# Altium PCB VALVEBOARD_Kun.PcbDoc (part 11 of 13)
Units mil, origin at the board's own origin, x right, y up, seen from the top; angles counter-clockwise.
Board outline 10923.41 x 5583.88 mil, 2 copper layers (Top Layer, Bottom Layer), stack 10.8 mil thick; 1127 components, 626 nets, 3503 pads, 1418 vias.
Unrouted connection lines stored in the file: 1.
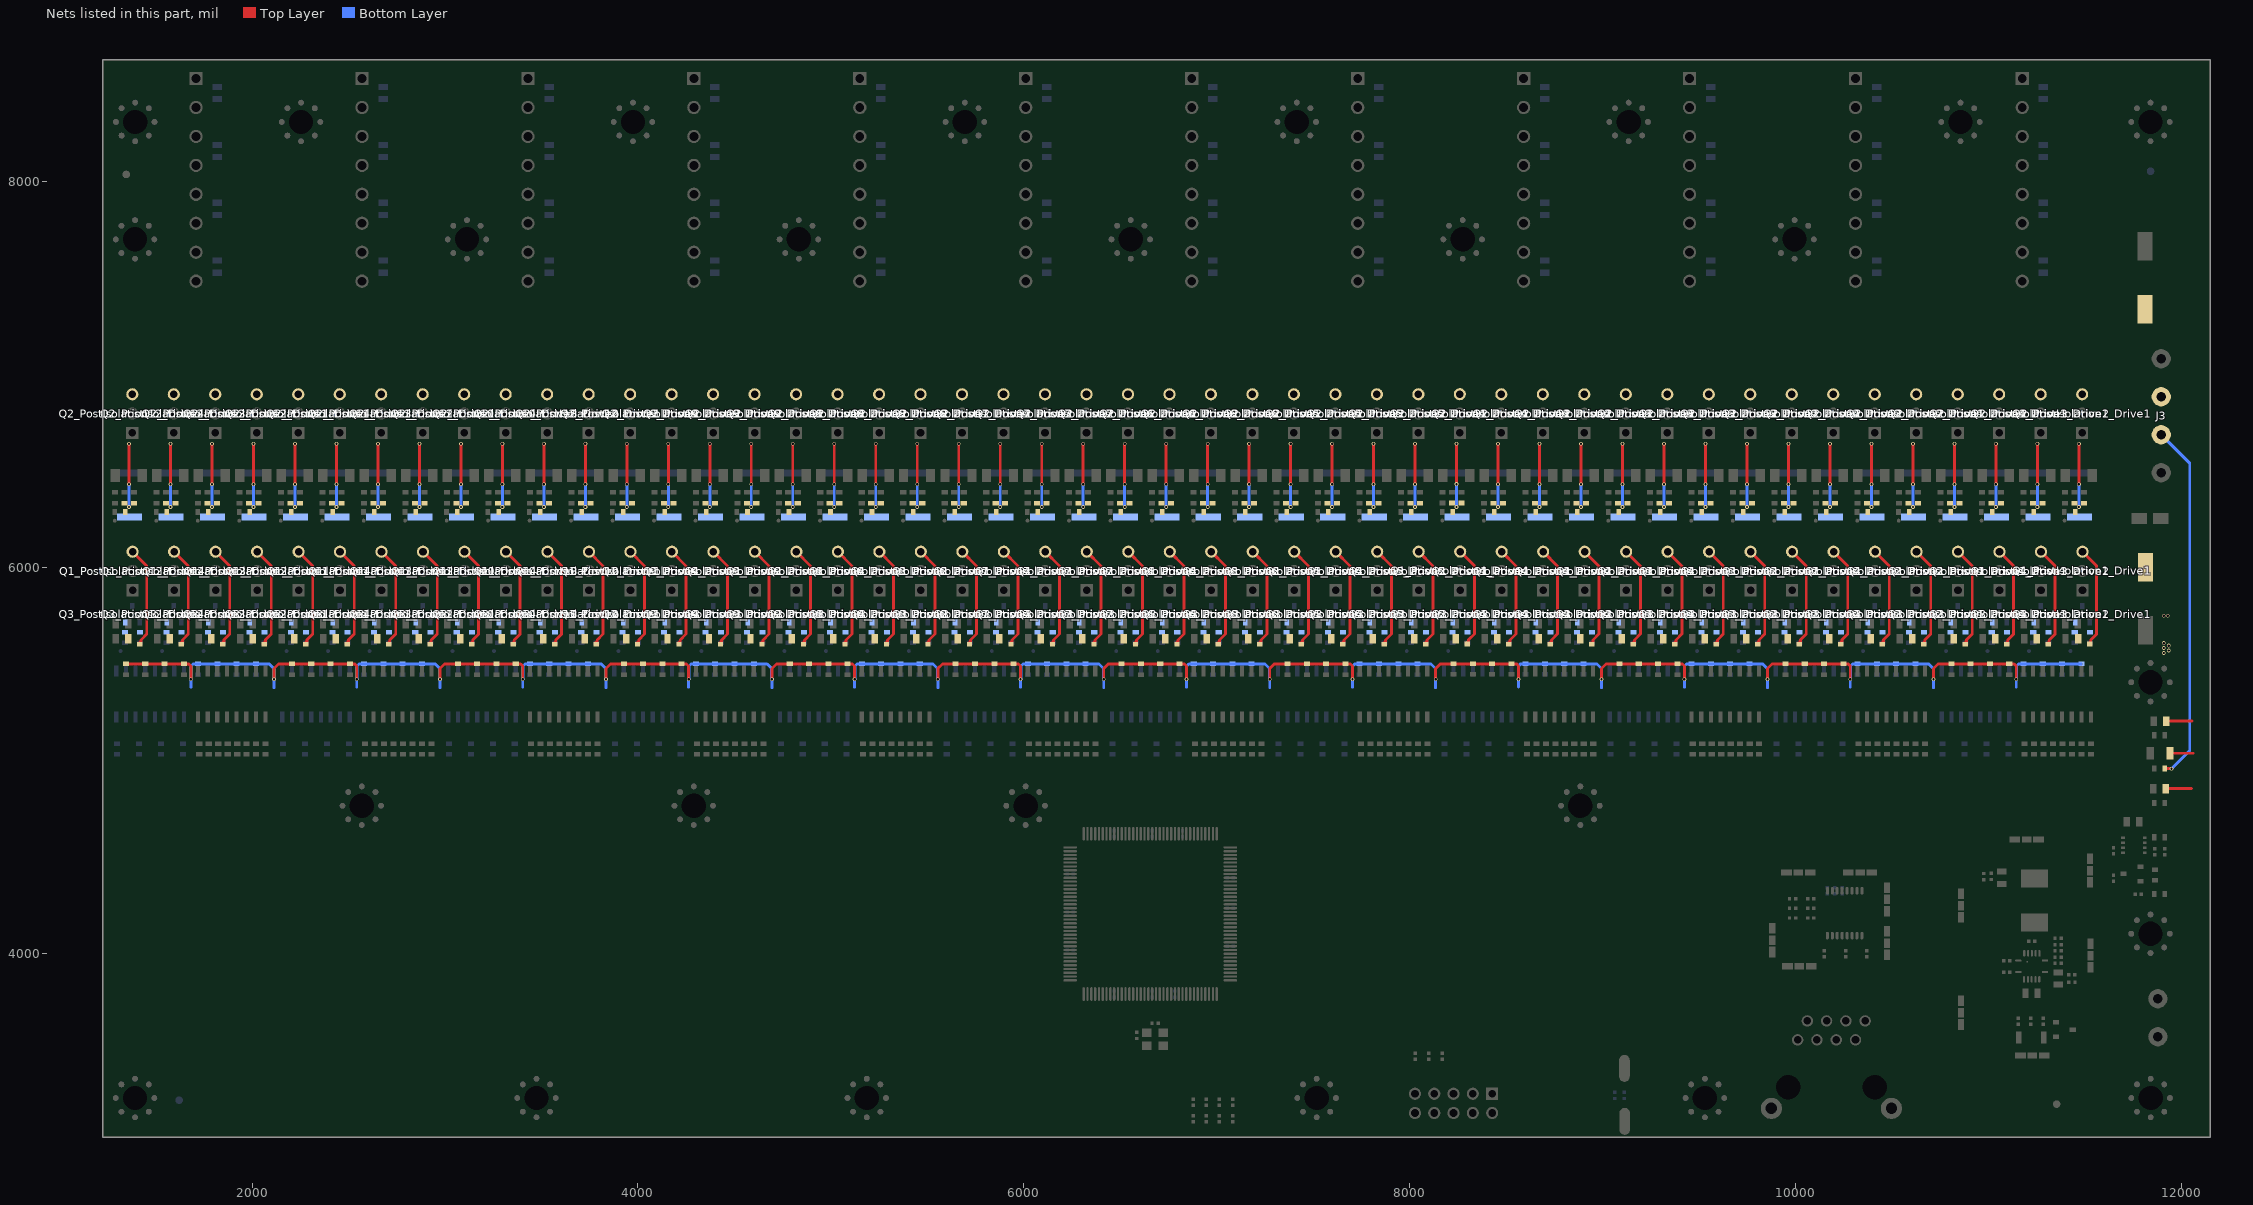
[diagram p11: the nets of this part, all layers, seen from the top]

## Via types
v1: diameter 19.68, hole 11.81, Top Layer to Bottom Layer, tented both sides, 1364 vias
v2: diameter 19.68, hole 11.81, Top Layer to Bottom Layer, 54 vias

## Nets (pads, with @x,y where several pads share a name; then routed paths per layer and width w, separated by ;. In a path a pad name is that pad's centre, name@x,y a point inside that pad or via, vN(x,y) a via of type N, cw(c..) or ccw(c..) an arc to the next point about the centre after c; other vN are vias at no path point) (continued)
PGND: C15_PostIsolation1_Isolation1.1 C15_PostIsolation2_Isolation2.1 C15_PostIsolation3_Isolation3.1 C15_PostIsolation4_Isolation4.1 C15_PostIsolation5_Isolation5.1 C15_PostIsolation6_Isolation6.1 C15_PostIsolation7_Isolation7.1 C15_PostIsolation8_Isolation8.1 C15_PostIsolation9_Isolation9.1 C15_PostIsolation10_Isolation10.1 C15_PostIsolation11_Isolation11.1 C15_PostIsolation12_Isolation12.1 C16_PostIsolation1_Isolation1.1 C16_PostIsolation2_Isolation2.1 C16_PostIsolation3_Isolation3.1 C16_PostIsolation4_Isolation4.1 C16_PostIsolation5_Isolation5.1 C16_PostIsolation6_Isolation6.1 C16_PostIsolation7_Isolation7.1 C16_PostIsolation8_Isolation8.1 C16_PostIsolation9_Isolation9.1 C16_PostIsolation10_Isolation10.1 C16_PostIsolation11_Isolation11.1 C16_PostIsolation12_Isolation12.1 C17_PostIsolation1_Isolation1.1 C17_PostIsolation2_Isolation2.1 C17_PostIsolation3_Isolation3.1 C17_PostIsolation4_Isolation4.1 C17_PostIsolation5_Isolation5.1 C17_PostIsolation6_Isolation6.1 C17_PostIsolation7_Isolation7.1 C17_PostIsolation8_Isolation8.1 C17_PostIsolation9_Isolation9.1 C17_PostIsolation10_Isolation10.1 C17_PostIsolation11_Isolation11.1 C17_PostIsolation12_Isolation12.1 C18_PostIsolation1_Isolation1.1 C18_PostIsolation2_Isolation2.1 C18_PostIsolation3_Isolation3.1 C18_PostIsolation4_Isolation4.1 C18_PostIsolation5_Isolation5.1 C18_PostIsolation6_Isolation6.1 C18_PostIsolation7_Isolation7.1 C18_PostIsolation8_Isolation8.1 C18_PostIsolation9_Isolation9.1 C18_PostIsolation10_Isolation10.1 C18_PostIsolation11_Isolation11.1 C18_PostIsolation12_Isolation12.1 C19_PostIsolation1_Isolation1.1 C19_PostIsolation2_Isolation2.1 C19_PostIsolation3_Isolation3.1 C19_PostIsolation4_Isolation4.1 C19_PostIsolation5_Isolation5.1 C19_PostIsolation6_Isolation6.1 C19_PostIsolation7_Isolation7.1 C19_PostIsolation8_Isolation8.1 C19_PostIsolation9_Isolation9.1 C19_PostIsolation10_Isolation10.1 C19_PostIsolation11_Isolation11.1 C19_PostIsolation12_Isolation12.1 C20_PostIsolation1_Isolation1.1 C20_PostIsolation2_Isolation2.1 C20_PostIsolation3_Isolation3.1 C20_PostIsolation4_Isolation4.1 C20_PostIsolation5_Isolation5.1 C20_PostIsolation6_Isolation6.1 C20_PostIsolation7_Isolation7.1 C20_PostIsolation8_Isolation8.1 C20_PostIsolation9_Isolation9.1 C20_PostIsolation10_Isolation10.1 C20_PostIsolation11_Isolation11.1 C20_PostIsolation12_Isolation12.1 C21_PostIsolation1_Isolation1.1 C21_PostIsolation2_Isolation2.1 C21_PostIsolation3_Isolation3.1 C21_PostIsolation4_Isolation4.1 C21_PostIsolation5_Isolation5.1 C21_PostIsolation6_Isolation6.1 C21_PostIsolation7_Isolation7.1 C21_PostIsolation8_Isolation8.1 C21_PostIsolation9_Isolation9.1 C21_PostIsolation10_Isolation10.1 C21_PostIsolation11_Isolation11.1 C21_PostIsolation12_Isolation12.1 C22_PostIsolation1_Isolation1.1 C22_PostIsolation2_Isolation2.1 C22_PostIsolation3_Isolation3.1 C22_PostIsolation4_Isolation4.1 C22_PostIsolation5_Isolation5.1 C22_PostIsolation6_Isolation6.1 C22_PostIsolation7_Isolation7.1 C22_PostIsolation8_Isolation8.1 C22_PostIsolation9_Isolation9.1 C22_PostIsolation10_Isolation10.1 C22_PostIsolation11_Isolation11.1 C22_PostIsolation12_Isolation12.1 C27_PostIsolation1_Drive1.1 C27_PostIsolation1_Drive2.1 C27_PostIsolation1_Drive3.1 C27_PostIsolation1_Drive4.1 C27_PostIsolation2_Drive1.1 C27_PostIsolation2_Drive2.1 C27_PostIsolation2_Drive3.1 C27_PostIsolation2_Drive4.1 C27_PostIsolation3_Drive1.1 C27_PostIsolation3_Drive2.1 C27_PostIsolation3_Drive3.1 C27_PostIsolation3_Drive4.1 C27_PostIsolation4_Drive1.1 C27_PostIsolation4_Drive2.1 C27_PostIsolation4_Drive3.1 C27_PostIsolation4_Drive4.1 C27_PostIsolation5_Drive1.1 C27_PostIsolation5_Drive2.1 C27_PostIsolation5_Drive3.1 C27_PostIsolation5_Drive4.1 C27_PostIsolation6_Drive1.1 C27_PostIsolation6_Drive2.1 C27_PostIsolation6_Drive3.1 C27_PostIsolation6_Drive4.1 C27_PostIsolation7_Drive1.1 C27_PostIsolation7_Drive2.1 C27_PostIsolation7_Drive3.1 C27_PostIsolation7_Drive4.1 C27_PostIsolation8_Drive1.1 C27_PostIsolation8_Drive2.1 C27_PostIsolation8_Drive3.1 C27_PostIsolation8_Drive4.1 C27_PostIsolation9_Drive1.1 C27_PostIsolation9_Drive2.1 C27_PostIsolation9_Drive3.1 C27_PostIsolation9_Drive4.1 C27_PostIsolation10_Drive1.1 C27_PostIsolation10_Drive2.1 C27_PostIsolation10_Drive3.1 C27_PostIsolation10_Drive4.1 C27_PostIsolation11_Drive1.1 C27_PostIsolation11_Drive2.1 C27_PostIsolation11_Drive3.1 C27_PostIsolation11_Drive4.1 C27_PostIsolation12_Drive1.1 C27_PostIsolation12_Drive2.1 C27_PostIsolation12_Drive3.1 C27_PostIsolation12_Drive4.1 C28_PostIsolation1_Drive1.1 C28_PostIsolation1_Drive2.1 C28_PostIsolation1_Drive3.1 C28_PostIsolation1_Drive4.1 C28_PostIsolation2_Drive1.1 C28_PostIsolation2_Drive2.1 C28_PostIsolation2_Drive3.1 C28_PostIsolation2_Drive4.1 C28_PostIsolation3_Drive1.1 C28_PostIsolation3_Drive2.1 C28_PostIsolation3_Drive3.1 C28_PostIsolation3_Drive4.1 C28_PostIsolation4_Drive1.1 C28_PostIsolation4_Drive2.1 C28_PostIsolation4_Drive3.1 C28_PostIsolation4_Drive4.1 C28_PostIsolation5_Drive1.1 C28_PostIsolation5_Drive2.1 C28_PostIsolation5_Drive3.1 C28_PostIsolation5_Drive4.1 C28_PostIsolation6_Drive1.1 C28_PostIsolation6_Drive2.1 C28_PostIsolation6_Drive3.1 C28_PostIsolation6_Drive4.1 C28_PostIsolation7_Drive1.1 C28_PostIsolation7_Drive2.1 C28_PostIsolation7_Drive3.1 C28_PostIsolation7_Drive4.1 C28_PostIsolation8_Drive1.1 C28_PostIsolation8_Drive2.1 C28_PostIsolation8_Drive3.1 C28_PostIsolation8_Drive4.1 C28_PostIsolation9_Drive1.1 C28_PostIsolation9_Drive2.1 C28_PostIsolation9_Drive3.1 C28_PostIsolation9_Drive4.1 C28_PostIsolation10_Drive1.1 C28_PostIsolation10_Drive2.1 C28_PostIsolation10_Drive3.1 C28_PostIsolation10_Drive4.1 C28_PostIsolation11_Drive1.1 C28_PostIsolation11_Drive2.1 C28_PostIsolation11_Drive3.1 C28_PostIsolation11_Drive4.1 C28_PostIsolation12_Drive1.1 C28_PostIsolation12_Drive2.1 C28_PostIsolation12_Drive3.1 C28_PostIsolation12_Drive4.1 C29.2 C30.2 J3.3 Q2_PostIsolation1_Drive1.3 Q2_PostIsolation1_Drive2.3 Q2_PostIsolation1_Drive3.3 Q2_PostIsolation1_Drive4.3 Q2_PostIsolation2_Drive1.3 Q2_PostIsolation2_Drive2.3 Q2_PostIsolation2_Drive3.3 Q2_PostIsolation2_Drive4.3 Q2_PostIsolation3_Drive1.3 Q2_PostIsolation3_Drive2.3 Q2_PostIsolation3_Drive3.3 Q2_PostIsolation3_Drive4.3 Q2_PostIsolation4_Drive1.3 Q2_PostIsolation4_Drive2.3 Q2_PostIsolation4_Drive3.3 Q2_PostIsolation4_Drive4.3 Q2_PostIsolation5_Drive1.3 Q2_PostIsolation5_Drive2.3 Q2_PostIsolation5_Drive3.3 Q2_PostIsolation5_Drive4.3 Q2_PostIsolation6_Drive1.3 Q2_PostIsolation6_Drive2.3 Q2_PostIsolation6_Drive3.3 Q2_PostIsolation6_Drive4.3 Q2_PostIsolation7_Drive1.3 Q2_PostIsolation7_Drive2.3 Q2_PostIsolation7_Drive3.3 Q2_PostIsolation7_Drive4.3 Q2_PostIsolation8_Drive1.3 Q2_PostIsolation8_Drive2.3 Q2_PostIsolation8_Drive3.3 Q2_PostIsolation8_Drive4.3 Q2_PostIsolation9_Drive1.3 Q2_PostIsolation9_Drive2.3 Q2_PostIsolation9_Drive3.3 Q2_PostIsolation9_Drive4.3 Q2_PostIsolation10_Drive1.3 Q2_PostIsolation10_Drive2.3 Q2_PostIsolation10_Drive3.3 Q2_PostIsolation10_Drive4.3 Q2_PostIsolation11_Drive1.3 Q2_PostIsolation11_Drive2.3 Q2_PostIsolation11_Drive3.3 Q2_PostIsolation11_Drive4.3 Q2_PostIsolation12_Drive1.3 Q2_PostIsolation12_Drive2.3 Q2_PostIsolation12_Drive3.3 Q2_PostIsolation12_Drive4.3 Q3_PostIsolation1_Drive1.S Q3_PostIsolation1_Drive2.S Q3_PostIsolation1_Drive3.S Q3_PostIsolation1_Drive4.S Q3_PostIsolation2_Drive1.S Q3_PostIsolation2_Drive2.S Q3_PostIsolation2_Drive3.S Q3_PostIsolation2_Drive4.S Q3_PostIsolation3_Drive1.S Q3_PostIsolation3_Drive2.S Q3_PostIsolation3_Drive3.S Q3_PostIsolation3_Drive4.S Q3_PostIsolation4_Drive1.S Q3_PostIsolation4_Drive2.S Q3_PostIsolation4_Drive3.S Q3_PostIsolation4_Drive4.S Q3_PostIsolation5_Drive1.S Q3_PostIsolation5_Drive2.S Q3_PostIsolation5_Drive3.S Q3_PostIsolation5_Drive4.S Q3_PostIsolation6_Drive1.S Q3_PostIsolation6_Drive2.S Q3_PostIsolation6_Drive3.S Q3_PostIsolation6_Drive4.S Q3_PostIsolation7_Drive1.S Q3_PostIsolation7_Drive2.S Q3_PostIsolation7_Drive3.S Q3_PostIsolation7_Drive4.S Q3_PostIsolation8_Drive1.S Q3_PostIsolation8_Drive2.S Q3_PostIsolation8_Drive3.S Q3_PostIsolation8_Drive4.S Q3_PostIsolation9_Drive1.S Q3_PostIsolation9_Drive2.S Q3_PostIsolation9_Drive3.S Q3_PostIsolation9_Drive4.S Q3_PostIsolation10_Drive1.S Q3_PostIsolation10_Drive2.S Q3_PostIsolation10_Drive3.S Q3_PostIsolation10_Drive4.S Q3_PostIsolation11_Drive1.S Q3_PostIsolation11_Drive2.S Q3_PostIsolation11_Drive3.S Q3_PostIsolation11_Drive4.S Q3_PostIsolation12_Drive1.S Q3_PostIsolation12_Drive2.S Q3_PostIsolation12_Drive3.S Q3_PostIsolation12_Drive4.S R25_PostIsolation1_Drive1.2 R25_PostIsolation1_Drive2.2 R25_PostIsolation1_Drive3.2 R25_PostIsolation1_Drive4.2 R25_PostIsolation2_Drive1.2 R25_PostIsolation2_Drive2.2 R25_PostIsolation2_Drive3.2 R25_PostIsolation2_Drive4.2 R25_PostIsolation3_Drive1.2 R25_PostIsolation3_Drive2.2 R25_PostIsolation3_Drive3.2 R25_PostIsolation3_Drive4.2 R25_PostIsolation4_Drive1.2 R25_PostIsolation4_Drive2.2 R25_PostIsolation4_Drive3.2 R25_PostIsolation4_Drive4.2 R25_PostIsolation5_Drive1.2 R25_PostIsolation5_Drive2.2 R25_PostIsolation5_Drive3.2 R25_PostIsolation5_Drive4.2 R25_PostIsolation6_Drive1.2 R25_PostIsolation6_Drive2.2 R25_PostIsolation6_Drive3.2 R25_PostIsolation6_Drive4.2 R25_PostIsolation7_Drive1.2 R25_PostIsolation7_Drive2.2 R25_PostIsolation7_Drive3.2 R25_PostIsolation7_Drive4.2 R25_PostIsolation8_Drive1.2 R25_PostIsolation8_Drive2.2 R25_PostIsolation8_Drive3.2 R25_PostIsolation8_Drive4.2 R25_PostIsolation9_Drive1.2 R25_PostIsolation9_Drive2.2 R25_PostIsolation9_Drive3.2 R25_PostIsolation9_Drive4.2 R25_PostIsolation10_Drive1.2 R25_PostIsolation10_Drive2.2 R25_PostIsolation10_Drive3.2 R25_PostIsolation10_Drive4.2 R25_PostIsolation11_Drive1.2 R25_PostIsolation11_Drive2.2 R25_PostIsolation11_Drive3.2 R25_PostIsolation11_Drive4.2 R25_PostIsolation12_Drive1.2 R25_PostIsolation12_Drive2.2 R25_PostIsolation12_Drive3.2 R25_PostIsolation12_Drive4.2 R27_PostIsolation1_Drive1.1 R27_PostIsolation1_Drive2.1 R27_PostIsolation1_Drive3.1 R27_PostIsolation1_Drive4.1 R27_PostIsolation2_Drive1.1 R27_PostIsolation2_Drive2.1 R27_PostIsolation2_Drive3.1 R27_PostIsolation2_Drive4.1 R27_PostIsolation3_Drive1.1 R27_PostIsolation3_Drive2.1 R27_PostIsolation3_Drive3.1 R27_PostIsolation3_Drive4.1 R27_PostIsolation4_Drive1.1 R27_PostIsolation4_Drive2.1 R27_PostIsolation4_Drive3.1 R27_PostIsolation4_Drive4.1 R27_PostIsolation5_Drive1.1 R27_PostIsolation5_Drive2.1 R27_PostIsolation5_Drive3.1 R27_PostIsolation5_Drive4.1 R27_PostIsolation6_Drive1.1 R27_PostIsolation6_Drive2.1 R27_PostIsolation6_Drive3.1 R27_PostIsolation6_Drive4.1 R27_PostIsolation7_Drive1.1 R27_PostIsolation7_Drive2.1 R27_PostIsolation7_Drive3.1 R27_PostIsolation7_Drive4.1 R27_PostIsolation8_Drive1.1 R27_PostIsolation8_Drive2.1 R27_PostIsolation8_Drive3.1 R27_PostIsolation8_Drive4.1 R27_PostIsolation9_Drive1.1 R27_PostIsolation9_Drive2.1 R27_PostIsolation9_Drive3.1 R27_PostIsolation9_Drive4.1 R27_PostIsolation10_Drive1.1 R27_PostIsolation10_Drive2.1 R27_PostIsolation10_Drive3.1 R27_PostIsolation10_Drive4.1 R27_PostIsolation11_Drive1.1 R27_PostIsolation11_Drive2.1 R27_PostIsolation11_Drive3.1 R27_PostIsolation11_Drive4.1 R27_PostIsolation12_Drive1.1 R27_PostIsolation12_Drive2.1 R27_PostIsolation12_Drive3.1 R27_PostIsolation12_Drive4.1 R28_PostIsolation1_Drive1.1 R28_PostIsolation1_Drive2.1 R28_PostIsolation1_Drive3.1 R28_PostIsolation1_Drive4.1 R28_PostIsolation2_Drive1.1 R28_PostIsolation2_Drive2.1 R28_PostIsolation2_Drive3.1 R28_PostIsolation2_Drive4.1 R28_PostIsolation3_Drive1.1 R28_PostIsolation3_Drive2.1 R28_PostIsolation3_Drive3.1 R28_PostIsolation3_Drive4.1 R28_PostIsolation4_Drive1.1 R28_PostIsolation4_Drive2.1 R28_PostIsolation4_Drive3.1 R28_PostIsolation4_Drive4.1 R28_PostIsolation5_Drive1.1 R28_PostIsolation5_Drive2.1 R28_PostIsolation5_Drive3.1 R28_PostIsolation5_Drive4.1 R28_PostIsolation6_Drive1.1 R28_PostIsolation6_Drive2.1 R28_PostIsolation6_Drive3.1 R28_PostIsolation6_Drive4.1 R28_PostIsolation7_Drive1.1 R28_PostIsolation7_Drive2.1 R28_PostIsolation7_Drive3.1 R28_PostIsolation7_Drive4.1 R28_PostIsolation8_Drive1.1 R28_PostIsolation8_Drive2.1 R28_PostIsolation8_Drive3.1 R28_PostIsolation8_Drive4.1 R28_PostIsolation9_Drive1.1 R28_PostIsolation9_Drive2.1 R28_PostIsolation9_Drive3.1 R28_PostIsolation9_Drive4.1 R28_PostIsolation10_Drive1.1 R28_PostIsolation10_Drive2.1 R28_PostIsolation10_Drive3.1 R28_PostIsolation10_Drive4.1 R28_PostIsolation11_Drive1.1 R28_PostIsolation11_Drive2.1 R28_PostIsolation11_Drive3.1 R28_PostIsolation11_Drive4.1 R28_PostIsolation12_Drive1.1 R28_PostIsolation12_Drive2.1 R28_PostIsolation12_Drive3.1 R28_PostIsolation12_Drive4.1 R29.1 R30.2 R31.2 | length 31116.6
  Top Layer w15: C17_PostIsolation12_Isolation12.1@1346.51,5500.55 C18_PostIsolation12_Isolation12.1@1446.51,5500.55 C15_PostIsolation12_Isolation12.1@1546.51,5500.55 C16_PostIsolation12_Isolation12.1@1646.51,5500.55 1671.96,5500.55 1682.71,5489.81 v1(1682.71,5420.89) ; v1(1362.18,6431.92) v1@1362.18,6640.28 ; v1(1577.2,6431.92) v1@1577.2,6640.28 ; v1(1792.21,6431.92) v1@1792.21,6640.28 ; v1(2007.23,6431.92) v1@2007.23,6640.28 ; v1@2113.91,5425.64 2113.91,5476.69 2137.32,5500.1 C17_PostIsolation11_Isolation11.1@2206.11,5500.1 ; C17_PostIsolation11_Isolation11.1@2206.57,5500.55 C18_PostIsolation11_Isolation11.1@2306.57,5500.55 C15_PostIsolation11_Isolation11.1@2406.57,5500.55 C16_PostIsolation11_Isolation11.1@2506.57,5500.55 2532.02,5500.55 2542.77,5489.81 v1(2542.77,5420.89) ; v1(2222.24,6431.92) v1@2222.24,6640.29 ; v1(2437.26,6431.92) v1@2437.26,6640.29 ; v1(2652.27,6431.92) v1@2652.27,6640.29 ; v1(2867.29,6431.92) v1@2867.29,6640.29 ; v1@2973.97,5425.64 2973.97,5476.69 2997.39,5500.1 C17_PostIsolation10_Isolation10.1@3066.17,5500.1 ; C17_PostIsolation10_Isolation10.1@3066.63,5500.55 C18_PostIsolation10_Isolation10.1@3166.63,5500.55 C15_PostIsolation10_Isolation10.1@3266.63,5500.55 C16_PostIsolation10_Isolation10.1@3366.63,5500.55 3392.08,5500.55 3402.83,5489.8 v1(3402.83,5420.88) ; v1(3082.3,6431.92) v1@3082.3,6640.28 ; v1(3297.32,6431.92) v1@3297.32,6640.28 ; v1(3512.33,6431.92) v1@3512.33,6640.28 ; v1(3727.35,6431.92) v1@3727.35,6640.28 ; v1@3834.04,5425.64 3834.04,5476.69 3857.45,5500.1 C17_PostIsolation9_Isolation9.1@3926.23,5500.1 ; C17_PostIsolation9_Isolation9.1@3926.69,5500.55 C18_PostIsolation9_Isolation9.1@4026.69,5500.55 C15_PostIsolation9_Isolation9.1@4126.69,5500.55 C16_PostIsolation9_Isolation9.1@4226.69,5500.55 4252.15,5500.55 4262.89,5489.8 v1(4262.89,5420.88) ; v1(3942.36,6431.92) v1@3942.36,6640.28 ; v1(4157.38,6431.92) v1@4157.38,6640.28 ; v1(4372.39,6431.92) v1@4372.39,6640.28 ; v1(4587.41,6431.92) v1@4587.41,6640.28 ; v1@4694.1,5425.64 4694.1,5476.69 4717.51,5500.1 C17_PostIsolation8_Isolation8.1@4786.29,5500.1 ; C17_PostIsolation8_Isolation8.1@4786.75,5500.55 C18_PostIsolation8_Isolation8.1@4886.75,5500.55 C15_PostIsolation8_Isolation8.1@4986.75,5500.55 C16_PostIsolation8_Isolation8.1@5086.75,5500.55 5112.21,5500.55 5122.95,5489.8 v1(5122.95,5420.89) ; v1(4802.42,6431.92) v1@4802.42,6640.29 ; v1(5017.44,6431.92) v1@5017.44,6640.29 ; v1(5232.46,6431.92) v1@5232.46,6640.29 ; v1(5447.47,6431.92) v1@5447.47,6640.29 ; v1@5554.16,5425.64 5554.16,5476.69 5577.57,5500.1 C17_PostIsolation7_Isolation7.1@5646.36,5500.1 ; C17_PostIsolation7_Isolation7.1@5646.81,5500.55 C18_PostIsolation7_Isolation7.1@5746.81,5500.55 C15_PostIsolation7_Isolation7.1@5846.81,5500.55 C16_PostIsolation7_Isolation7.1@5946.81,5500.55 5972.27,5500.55 5983.02,5489.8 v1(5983.02,5420.89) ; v1(5662.49,6431.92) v1@5662.49,6640.29 ; v1(5877.5,6431.92) v1@5877.5,6640.29 ; v1(6092.52,6431.92) v1@6092.52,6640.29 ; v1(6307.53,6431.92) v1@6307.53,6640.29 ; v1@6414.22,5425.64 6414.22,5476.69 6437.63,5500.1 C17_PostIsolation6_Isolation6.1@6506.42,5500.1 ; C17_PostIsolation6_Isolation6.1@6506.87,5500.55 C18_PostIsolation6_Isolation6.1@6606.87,5500.55 C15_PostIsolation6_Isolation6.1@6706.87,5500.55 C16_PostIsolation6_Isolation6.1@6806.87,5500.55 6832.33,5500.55 6843.08,5489.8 v1(6843.08,5420.89) ; v1(6522.55,6431.92) v1@6522.55,6640.29 ; v1(6737.56,6431.92) v1@6737.56,6640.29 ; v1(6952.58,6431.92) v1@6952.58,6640.29 ; v1(7167.59,6431.92) v1@7167.59,6640.29 ; v1@7274.28,5425.64 7274.28,5476.69 7297.69,5500.1 C17_PostIsolation5_Isolation5.1@7366.48,5500.1 ; C17_PostIsolation5_Isolation5.1@7366.93,5500.55 C18_PostIsolation5_Isolation5.1@7466.93,5500.55 C15_PostIsolation5_Isolation5.1@7566.93,5500.55 C16_PostIsolation5_Isolation5.1@7666.93,5500.55 7692.39,5500.55 7703.14,5489.8 v1(7703.14,5420.89) ; v1(7382.61,6431.92) v1@7382.61,6640.29 ; v1(7597.62,6431.92) v1@7597.62,6640.29 ; v1(7812.64,6431.92) v1@7812.64,6640.29 ; v1(8027.65,6431.92) v1@8027.65,6640.29 ; v1@8134.34,5426.08 8134.34,5477.13 8157.75,5500.54 C17_PostIsolation4_Isolation4.1@8226.54,5500.54 ; C17_PostIsolation4_Isolation4.1@8226.99,5501 C18_PostIsolation4_Isolation4.1@8326.99,5501 C15_PostIsolation4_Isolation4.1@8426.99,5501 C16_PostIsolation4_Isolation4.1@8526.99,5501 8552.45,5501 8563.2,5490.25 v1(8563.2,5421.33) ; v1(8242.67,6432.36) v1@8242.67,6640.73 ; v1(8457.68,6431.92) v1@8457.68,6640.29 ; v1(8672.7,6431.92) v1@8672.7,6640.29 ; v1(8887.71,6431.79) v1@8887.71,6640.15 ; v1@8994.35,5425.66 8994.35,5476.71 9017.76,5500.12 C17_PostIsolation3_Isolation3.1@9086.54,5500.12 ; C17_PostIsolation3_Isolation3.1@9087,5500.57 C18_PostIsolation3_Isolation3.1@9187,5500.57 C15_PostIsolation3_Isolation3.1@9287,5500.57 C16_PostIsolation3_Isolation3.1@9387,5500.57 9412.45,5500.57 9423.2,5489.82 v1(9423.2,5420.9) ; v1(9102.73,6431.92) v1@9102.73,6640.29 ; v1(9317.74,6431.92) v1@9317.74,6640.29 ; v1(9532.76,6431.92) v1@9532.76,6640.29 ; v1(9747.77,6431.92) v1@9747.77,6640.29 ; v1@9854.41,5425.66 9854.41,5476.71 9877.82,5500.12 C17_PostIsolation2_Isolation2.1@9946.6,5500.12 ; C17_PostIsolation2_Isolation2.1@9947.06,5500.57 C18_PostIsolation2_Isolation2.1@10047.06,5500.57 C15_PostIsolation2_Isolation2.1@10147.06,5500.57 C16_PostIsolation2_Isolation2.1@10247.06,5500.57 10272.52,5500.57 10283.26,5489.82 v1(10283.26,5420.9) ; v1(9962.79,6431.92) v1@9962.79,6640.29 ; v1(10177.8,6431.92) v1@10177.8,6640.29 ; v1(10392.82,6431.92) v1@10392.82,6640.29 ; v1(10607.84,6431.92) v1@10607.84,6640.29 ; v1@10714.53,5425.64 10714.53,5476.69 10737.94,5500.1 10806.73,5500.1 C17_PostIsolation1_Isolation1.1@10807.18,5500.55 C18_PostIsolation1_Isolation1.1@10907.18,5500.55 C15_PostIsolation1_Isolation1.1@11007.18,5500.55 C16_PostIsolation1_Isolation1.1@11107.18,5500.55 11132.64,5500.55 11143.39,5489.8 v1(11143.39,5420.89) ; v1(10822.96,6431.92) v1@10822.96,6640.29 ; v1(11037.74,6431.92) v1@11037.74,6640.29 ; v1(11252.88,6431.92) v1@11252.88,6640.29 ; v1(11467.89,6432.05) v1@11467.89,6640.41 ; R31.2@11918.5,4854.21 12050.86,4854.21 ; R30.2@11920.38,5203.85 12055.16,5203.85 ; R29.1@11940.59,5037.75 12058.85,5037.75
  Bottom Layer w15: v1@1362.18,6313.84 v1@1362.18,6430.65 ; Q2_PostIsolation12_Drive4.3@1379.24,6897.82 Q2_PostIsolation12_Drive4.3@1386.25,6890.81 ; v1@1577.2,6313.84 v1@1577.2,6430.65 ; v1@1683.97,5420.89 1683.97,5489.81 1694.72,5500.55 C20_PostIsolation12_Isolation12.1@1720.17,5500.55 C19_PostIsolation12_Isolation12.1@1820.17,5500.55 C22_PostIsolation12_Isolation12.1@1920.17,5500.55 C21_PostIsolation12_Isolation12.1@2020.17,5500.55 ; v1@1792.21,6313.84 v1@1792.21,6430.65 ; v1@2007.23,6313.84 v1@2007.23,6430.65 ; C21_PostIsolation12_Isolation12.1@2020.63,5500.1 2089.42,5500.1 2112.83,5476.69 v1@2112.83,5425.64 ; 2113.91,5377.02 v1@2113.91,5423.05 ; 2113.98,5377 v1@2113.98,5423.03 ; v1@2222.24,6313.84 v1@2222.24,6430.65 ; v1@2437.26,6313.84 v1@2437.26,6430.65 ; v1@2544.03,5420.89 2544.03,5489.81 2554.78,5500.55 C20_PostIsolation11_Isolation11.1@2580.23,5500.55 C19_PostIsolation11_Isolation11.1@2680.23,5500.55 C22_PostIsolation11_Isolation11.1@2780.23,5500.55 C21_PostIsolation11_Isolation11.1@2880.23,5500.55 ; v1@2652.27,6313.84 v1@2652.27,6430.65 ; v1@2867.29,6313.84 v1@2867.29,6430.65 ; C21_PostIsolation11_Isolation11.1@2880.69,5500.1 2949.48,5500.1 2972.89,5476.69 v1@2972.89,5425.64 ; 2973.97,5377.01 v1@2973.97,5423.05 ; 2974.04,5377 v1@2974.04,5423.03 ; v1@3082.3,6313.84 v1@3082.3,6430.65 ; v1@3297.32,6313.84 v1@3297.32,6430.65 ; v1@3404.09,5420.88 3404.09,5489.8 3414.84,5500.55 C20_PostIsolation10_Isolation10.1@3440.3,5500.55 C19_PostIsolation10_Isolation10.1@3540.3,5500.55 C22_PostIsolation10_Isolation10.1@3640.3,5500.55 C21_PostIsolation10_Isolation10.1@3740.3,5500.55 ; v1@3512.33,6313.84 v1@3512.33,6430.65 ; v1@3727.35,6313.84 v1@3727.35,6430.65 ; C21_PostIsolation10_Isolation10.1@3740.75,5500.1 3809.54,5500.1 3832.95,5476.69 v1@3832.95,5425.64 ; 3834.04,5377.01 v1@3834.04,5423.05 ; 3834.1,5377 v1@3834.1,5423.03 ; v1@3942.36,6313.84 v1@3942.36,6430.65 ; v1@4157.38,6313.84 v1@4157.38,6430.65 ; v1@4264.15,5420.88 4264.15,5489.8 4274.9,5500.55 C20_PostIsolation9_Isolation9.1@4300.36,5500.55 C19_PostIsolation9_Isolation9.1@4400.36,5500.55 C22_PostIsolation9_Isolation9.1@4500.36,5500.55 C21_PostIsolation9_Isolation9.1@4600.36,5500.55 ; v1@4372.39,6313.84 v1@4372.39,6430.65 ; v1@4587.41,6313.84 v1@4587.41,6430.65 ; C21_PostIsolation9_Isolation9.1@4600.81,5500.1 4669.6,5500.1 4693.01,5476.69 v1@4693.01,5425.64 ; 4694.1,5377.02 v1@4694.1,5423.05 ; 4694.16,5377 v1@4694.16,5423.03 ; v1@4802.42,6313.84 v1@4802.42,6430.65 ; v1@5017.44,6313.84 v1@5017.44,6430.65 ; v1@5124.21,5420.89 5124.21,5489.8 5134.96,5500.55 C20_PostIsolation8_Isolation8.1@5160.42,5500.55 C19_PostIsolation8_Isolation8.1@5260.42,5500.55 C22_PostIsolation8_Isolation8.1@5360.42,5500.55 C21_PostIsolation8_Isolation8.1@5460.42,5500.55 ; v1@5232.46,6313.84 v1@5232.46,6430.65 ; v1@5447.47,6313.84 v1@5447.47,6430.65 ; C21_PostIsolation8_Isolation8.1@5460.87,5500.1 5529.66,5500.1 5553.07,5476.69 v1@5553.07,5425.64 ; 5554.16,5377.02 v1@5554.16,5423.05 ; 5554.22,5377 v1@5554.22,5423.03 ; v1@5662.49,6313.84 v1@5662.49,6430.65 ; v1@5877.5,6313.84 v1@5877.5,6430.65 ; v1@5984.27,5420.89 5984.27,5489.8 5995.02,5500.55 C20_PostIsolation7_Isolation7.1@6020.48,5500.55 C19_PostIsolation7_Isolation7.1@6120.48,5500.55 C22_PostIsolation7_Isolation7.1@6220.48,5500.55 C21_PostIsolation7_Isolation7.1@6320.48,5500.55 ; v1@6092.52,6313.84 v1@6092.52,6430.65 ; v1@6307.53,6313.84 v1@6307.53,6430.65 ; C21_PostIsolation7_Isolation7.1@6320.93,5500.1 6389.72,5500.1 6413.13,5476.69 v1@6413.13,5425.64 ; 6414.22,5377.02 v1@6414.22,5423.05 ; 6414.28,5377 v1@6414.28,5423.03 ; v1@6522.55,6313.84 v1@6522.55,6430.65 ; v1@6737.56,6313.84 v1@6737.56,6430.65 ; v1@6844.33,5420.89 6844.33,5489.8 6855.08,5500.55 C20_PostIsolation6_Isolation6.1@6880.54,5500.55 C19_PostIsolation6_Isolation6.1@6980.54,5500.55 C22_PostIsolation6_Isolation6.1@7080.54,5500.55 C21_PostIsolation6_Isolation6.1@7180.54,5500.55 ; v1@6952.58,6313.84 v1@6952.58,6430.65 ; v1@7167.59,6313.84 v1@7167.59,6430.65 ; C21_PostIsolation6_Isolation6.1@7180.99,5500.1 7249.78,5500.1 7273.19,5476.69 v1@7273.19,5425.64 ; 7274.28,5377.02 v1@7274.28,5423.05 ; 7274.34,5377 v1@7274.34,5423.03 ; v1@7382.61,6313.84 v1@7382.61,6430.65 ; v1@7597.62,6313.84 v1@7597.62,6430.65 ; v1@7704.4,5420.89 7704.4,5489.8 7715.14,5500.55 C20_PostIsolation5_Isolation5.1@7740.6,5500.55 C19_PostIsolation5_Isolation5.1@7840.6,5500.55 C22_PostIsolation5_Isolation5.1@7940.6,5500.55 C21_PostIsolation5_Isolation5.1@8040.6,5500.55 ; v1@7812.64,6313.84 v1@7812.64,6430.65 ; v1@8027.65,6313.84 v1@8027.65,6430.65 ; C21_PostIsolation5_Isolation5.1@8041.06,5500.1 8109.84,5500.1 8133.25,5476.69 v1@8133.25,5425.64 ; 8134.34,5377.46 v1@8134.34,5423.49 ; 8134.4,5377 v1@8134.4,5423.03 ; v1@8242.67,6314.29 v1@8242.67,6431.1 ; v1@8457.68,6313.84 v1@8457.68,6430.65 ; v1@8564.46,5421.33 8564.46,5490.25 8575.2,5501 C20_PostIsolation4_Isolation4.1@8600.66,5501 C19_PostIsolation4_Isolation4.1@8700.66,5501 C22_PostIsolation4_Isolation4.1@8800.66,5501 C21_PostIsolation4_Isolation4.1@8900.66,5501 ; v1@8672.7,6313.84 v1@8672.7,6430.65 ; v1@8887.71,6313.71 v1@8887.71,6430.52 ; C21_PostIsolation4_Isolation4.1@8901.12,5500.54 8969.9,5500.54 8993.31,5477.13 v1@8993.31,5426.08 ; 8994.35,5377.03 v1@8994.35,5423.07 ; 8994.46,5377.44 v1@8994.46,5423.48 ; v1@9102.73,6313.84 v1@9102.73,6430.65 ; v1@9317.74,6313.84 v1@9317.74,6430.65 ; v1@9424.46,5420.9 9424.46,5489.82 9435.21,5500.57 C20_PostIsolation3_Isolation3.1@9460.67,5500.57 C19_PostIsolation3_Isolation3.1@9560.67,5500.57 C22_PostIsolation3_Isolation3.1@9660.67,5500.57 C21_PostIsolation3_Isolation3.1@9760.67,5500.57 ; v1@9532.76,6313.84 v1@9532.76,6430.65 ; v1@9747.77,6313.84 v1@9747.77,6430.65 ; C21_PostIsolation3_Isolation3.1@9761.12,5500.12 9829.91,5500.12 9853.32,5476.71 v1@9853.32,5425.66 ; 9854.41,5377.03 v1@9854.41,5423.07 ; 9854.47,5377.02 v1@9854.47,5423.05 ; v1@9962.79,6313.84 v1@9962.79,6430.65 ; v1@10177.8,6313.84 v1@10177.8,6430.65 ; 10283.26,5379.56 v1(10283.26,5420.9) ; v1@10284.52,5420.9 10284.52,5489.82 10295.27,5500.57 C20_PostIsolation2_Isolation2.1@10320.73,5500.57 C19_PostIsolation2_Isolation2.1@10420.73,5500.57 C22_PostIsolation2_Isolation2.1@10520.73,5500.57 C21_PostIsolation2_Isolation2.1@10620.73,5500.57 ; v1@10392.82,6313.84 v1@10392.82,6430.65 ; v1@10607.84,6313.84 v1@10607.84,6430.65 ; C21_PostIsolation2_Isolation2.1@10621.18,5500.12 10689.97,5500.12 10713.38,5476.71 v1@10713.38,5425.66 ; 10714.53,5377.02 v1@10714.53,5423.05 ; v1@10822.96,6313.84 v1@10822.96,6430.65 ; v1@11037.74,6313.84 v1@11037.74,6430.65 ; v1@11144.65,5420.89 11144.65,5489.8 11155.39,5500.55 C20_PostIsolation1_Isolation1.1@11180.85,5500.55 C19_PostIsolation1_Isolation1.1@11280.85,5500.55 C22_PostIsolation1_Isolation1.1@11380.85,5500.55 C21_PostIsolation1_Isolation1.1@11480.85,5500.55 ; v1@11252.88,6313.84 v1@11252.88,6430.65 ; v1@11467.89,6313.97 v1@11467.89,6430.78 ; 1682.71,5379.54 v1(1682.71,5420.89) 1682.71,5379.54 ; 2542.77,5379.54 v1(2542.77,5420.89) 2542.77,5379.54 ; 3402.83,5379.54 v1(3402.83,5420.88) 3402.83,5379.54 ; 4262.89,5379.54 v1(4262.89,5420.88) 4262.89,5379.54 ; 5122.95,5379.54 v1(5122.95,5420.89) 5122.95,5379.54 ; 5983.02,5379.54 v1(5983.02,5420.89) 5983.02,5379.54 ; 6843.08,5379.54 v1(6843.08,5420.89) 6843.08,5379.54 ; 7703.14,5379.54 v1(7703.14,5420.89) 7703.14,5379.54 ; 8563.2,5379.99 v1(8563.2,5421.33) 8563.2,5379.99 ; 9423.2,5379.56 v1(9423.2,5420.9) 9423.2,5379.56 ; 11143.39,5379.54 v1(11143.39,5420.89) 11143.39,5379.54
  other v1: 2113.91,5420.89 2973.97,5420.88 3834.04,5420.88 4694.1,5420.89 5554.16,5420.89 6414.22,5420.89 7274.28,5420.89 8134.34,5421.33 8994.35,5420.9 9854.41,5420.9 10714.53,5420.89 11907.28,5556.75 11933.6,5569.61 11907.28,5582.47 11933.6,5595.32 11907.28,5608.18 11907.31,5749.66 11929.04,5749.66 8887.71,6313.46 1362.18,6313.59 1577.2,6313.59 1792.21,6313.59 2007.23,6313.59 2222.24,6313.59 2437.26,6313.59 2652.27,6313.59 2867.29,6313.59 3082.3,6313.59 3297.32,6313.59 3512.33,6313.59 3727.35,6313.59 3942.36,6313.59 4157.38,6313.59 4372.39,6313.59 4587.41,6313.59 4802.42,6313.59 5017.44,6313.59 5232.46,6313.59 5447.47,6313.59 5662.49,6313.59 5877.5,6313.59 6092.52,6313.59 6307.53,6313.59 6522.55,6313.59 6737.56,6313.59 6952.58,6313.59 7167.59,6313.59 7382.61,6313.59 7597.62,6313.59 7812.64,6313.59 8027.65,6313.59 8242.67,6314.04 8457.68,6313.59 8672.7,6313.59 9102.73,6313.59 9317.74,6313.59 9532.76,6313.59 9747.77,6313.59 9962.79,6313.59 10177.8,6313.59 10392.82,6313.59 10607.84,6313.59 10822.96,6313.59 11037.74,6313.59 11252.88,6313.59 11467.89,6313.72 8887.71,6641.42 1362.18,6641.55 1577.2,6641.55 1792.21,6641.55 2007.23,6641.55 2222.24,6641.55 2437.26,6641.55 2652.27,6641.55 2867.29,6641.55 3082.3,6641.55 3297.32,6641.55 3512.33,6641.55 3727.35,6641.55 3942.36,6641.55 4157.38,6641.55 4372.39,6641.55 4587.41,6641.55 4802.42,6641.55 5017.44,6641.55 5232.46,6641.55 5447.47,6641.55 5662.49,6641.55 5877.5,6641.55 6092.52,6641.55 6307.53,6641.55 6522.55,6641.55 6737.56,6641.55 6952.58,6641.55 7167.59,6641.55 7382.61,6641.55 7597.62,6641.55 7812.64,6641.55 8027.65,6641.55 8242.67,6642 8457.68,6641.55 8672.7,6641.55 9102.73,6641.55 9317.74,6641.55 9532.76,6641.55 9747.77,6641.55 9962.79,6641.55 10177.8,6641.55 10392.82,6641.55 10607.84,6641.55 10822.96,6641.55 11037.74,6641.55 11252.88,6641.55 11467.89,6641.68
PHIGH: D5_PostIsolation1_Drive1.1 D5_PostIsolation1_Drive2.1 D5_PostIsolation1_Drive3.1 D5_PostIsolation1_Drive4.1 D5_PostIsolation2_Drive1.1 D5_PostIsolation2_Drive2.1 D5_PostIsolation2_Drive3.1 D5_PostIsolation2_Drive4.1 D5_PostIsolation3_Drive1.1 D5_PostIsolation3_Drive2.1 D5_PostIsolation3_Drive3.1 D5_PostIsolation3_Drive4.1 D5_PostIsolation4_Drive1.1 D5_PostIsolation4_Drive2.1 D5_PostIsolation4_Drive3.1 D5_PostIsolation4_Drive4.1 D5_PostIsolation5_Drive1.1 D5_PostIsolation5_Drive2.1 D5_PostIsolation5_Drive3.1 D5_PostIsolation5_Drive4.1 D5_PostIsolation6_Drive1.1 D5_PostIsolation6_Drive2.1 D5_PostIsolation6_Drive3.1 D5_PostIsolation6_Drive4.1 D5_PostIsolation7_Drive1.1 D5_PostIsolation7_Drive2.1 D5_PostIsolation7_Drive3.1 D5_PostIsolation7_Drive4.1 D5_PostIsolation8_Drive1.1 D5_PostIsolation8_Drive2.1 D5_PostIsolation8_Drive3.1 D5_PostIsolation8_Drive4.1 D5_PostIsolation9_Drive1.1 D5_PostIsolation9_Drive2.1 D5_PostIsolation9_Drive3.1 D5_PostIsolation9_Drive4.1 D5_PostIsolation10_Drive1.1 D5_PostIsolation10_Drive2.1 D5_PostIsolation10_Drive3.1 D5_PostIsolation10_Drive4.1 D5_PostIsolation11_Drive1.1 D5_PostIsolation11_Drive2.1 D5_PostIsolation11_Drive3.1 D5_PostIsolation11_Drive4.1 D5_PostIsolation12_Drive1.1 D5_PostIsolation12_Drive2.1 D5_PostIsolation12_Drive3.1 D5_PostIsolation12_Drive4.1 D9.2 J3.2 Q1_PostIsolation1_Drive1.3 Q1_PostIsolation1_Drive2.3 Q1_PostIsolation1_Drive3.3 Q1_PostIsolation1_Drive4.3 Q1_PostIsolation2_Drive1.3 Q1_PostIsolation2_Drive2.3 Q1_PostIsolation2_Drive3.3 Q1_PostIsolation2_Drive4.3 Q1_PostIsolation3_Drive1.3 Q1_PostIsolation3_Drive2.3 Q1_PostIsolation3_Drive3.3 Q1_PostIsolation3_Drive4.3 Q1_PostIsolation4_Drive1.3 Q1_PostIsolation4_Drive2.3 Q1_PostIsolation4_Drive3.3 Q1_PostIsolation4_Drive4.3 Q1_PostIsolation5_Drive1.3 Q1_PostIsolation5_Drive2.3 Q1_PostIsolation5_Drive3.3 Q1_PostIsolation5_Drive4.3 Q1_PostIsolation6_Drive1.3 Q1_PostIsolation6_Drive2.3 Q1_PostIsolation6_Drive3.3 Q1_PostIsolation6_Drive4.3 Q1_PostIsolation7_Drive1.3 Q1_PostIsolation7_Drive2.3 Q1_PostIsolation7_Drive3.3 Q1_PostIsolation7_Drive4.3 Q1_PostIsolation8_Drive1.3 Q1_PostIsolation8_Drive2.3 Q1_PostIsolation8_Drive3.3 Q1_PostIsolation8_Drive4.3 Q1_PostIsolation9_Drive1.3 Q1_PostIsolation9_Drive2.3 Q1_PostIsolation9_Drive3.3 Q1_PostIsolation9_Drive4.3 Q1_PostIsolation10_Drive1.3 Q1_PostIsolation10_Drive2.3 Q1_PostIsolation10_Drive3.3 Q1_PostIsolation10_Drive4.3 Q1_PostIsolation11_Drive1.3 Q1_PostIsolation11_Drive2.3 Q1_PostIsolation11_Drive3.3 Q1_PostIsolation11_Drive4.3 Q1_PostIsolation12_Drive1.3 Q1_PostIsolation12_Drive2.3 Q1_PostIsolation12_Drive3.3 Q1_PostIsolation12_Drive4.3 R22_PostIsolation1_Drive1.2 R22_PostIsolation1_Drive2.2 R22_PostIsolation1_Drive3.2 R22_PostIsolation1_Drive4.2 R22_PostIsolation2_Drive1.2 R22_PostIsolation2_Drive2.2 R22_PostIsolation2_Drive3.2 R22_PostIsolation2_Drive4.2 R22_PostIsolation3_Drive1.2 R22_PostIsolation3_Drive2.2 R22_PostIsolation3_Drive3.2 R22_PostIsolation3_Drive4.2 R22_PostIsolation4_Drive1.2 R22_PostIsolation4_Drive2.2 R22_PostIsolation4_Drive3.2 R22_PostIsolation4_Drive4.2 R22_PostIsolation5_Drive1.2 R22_PostIsolation5_Drive2.2 R22_PostIsolation5_Drive3.2 R22_PostIsolation5_Drive4.2 R22_PostIsolation6_Drive1.2 R22_PostIsolation6_Drive2.2 R22_PostIsolation6_Drive3.2 R22_PostIsolation6_Drive4.2 R22_PostIsolation7_Drive1.2 R22_PostIsolation7_Drive2.2 R22_PostIsolation7_Drive3.2 R22_PostIsolation7_Drive4.2 R22_PostIsolation8_Drive1.2 R22_PostIsolation8_Drive2.2 R22_PostIsolation8_Drive3.2 R22_PostIsolation8_Drive4.2 R22_PostIsolation9_Drive1.2 R22_PostIsolation9_Drive2.2 R22_PostIsolation9_Drive3.2 R22_PostIsolation9_Drive4.2 R22_PostIsolation10_Drive1.2 R22_PostIsolation10_Drive2.2 R22_PostIsolation10_Drive3.2 R22_PostIsolation10_Drive4.2 R22_PostIsolation11_Drive1.2 R22_PostIsolation11_Drive2.2 R22_PostIsolation11_Drive3.2 R22_PostIsolation11_Drive4.2 R22_PostIsolation12_Drive1.2 R22_PostIsolation12_Drive2.2 R22_PostIsolation12_Drive3.2 R22_PostIsolation12_Drive4.2 R23_PostIsolation1_Drive1.2 R23_PostIsolation1_Drive2.2 R23_PostIsolation1_Drive3.2 R23_PostIsolation1_Drive4.2 R23_PostIsolation2_Drive1.2 R23_PostIsolation2_Drive2.2 R23_PostIsolation2_Drive3.2 R23_PostIsolation2_Drive4.2 R23_PostIsolation3_Drive1.2 R23_PostIsolation3_Drive2.2 R23_PostIsolation3_Drive3.2 R23_PostIsolation3_Drive4.2 R23_PostIsolation4_Drive1.2 R23_PostIsolation4_Drive2.2 R23_PostIsolation4_Drive3.2 R23_PostIsolation4_Drive4.2 R23_PostIsolation5_Drive1.2 R23_PostIsolation5_Drive2.2 R23_PostIsolation5_Drive3.2 R23_PostIsolation5_Drive4.2 R23_PostIsolation6_Drive1.2 R23_PostIsolation6_Drive2.2 R23_PostIsolation6_Drive3.2 R23_PostIsolation6_Drive4.2 R23_PostIsolation7_Drive1.2 R23_PostIsolation7_Drive2.2 R23_PostIsolation7_Drive3.2 R23_PostIsolation7_Drive4.2 R23_PostIsolation8_Drive1.2 R23_PostIsolation8_Drive2.2 R23_PostIsolation8_Drive3.2 R23_PostIsolation8_Drive4.2 R23_PostIsolation9_Drive1.2 R23_PostIsolation9_Drive2.2 R23_PostIsolation9_Drive3.2 R23_PostIsolation9_Drive4.2 R23_PostIsolation10_Drive1.2 R23_PostIsolation10_Drive2.2 R23_PostIsolation10_Drive3.2 R23_PostIsolation10_Drive4.2 R23_PostIsolation11_Drive1.2 R23_PostIsolation11_Drive2.2 R23_PostIsolation11_Drive3.2 R23_PostIsolation11_Drive4.2 R23_PostIsolation12_Drive1.2 R23_PostIsolation12_Drive2.2 R23_PostIsolation12_Drive3.2 R23_PostIsolation12_Drive4.2 | length 27225.6
  Top Layer w15: Q1_PostIsolation12_Drive4.3@1380.9,6082.05 1454.42,6008.53 1454.42,5655.81 1423.71,5625.1 1423.71,5617.58 1413.97,5607.84 1413.97,5606.46 D5_PostIsolation12_Drive4.1@1417.88,5602.54 ; Q1_PostIsolation12_Drive3.3@1595.92,6082.05 1669.44,6008.53 1669.44,5655.81 1638.73,5625.1 1638.73,5617.58 1628.98,5607.84 1628.98,5606.46 D5_PostIsolation12_Drive3.1@1632.9,5602.54 ; Q1_PostIsolation12_Drive2.3@1810.93,6082.05 1884.45,6008.53 1884.45,5655.81 1853.74,5625.1 1853.74,5617.58 1844,5607.84 1844,5606.46 D5_PostIsolation12_Drive2.1@1847.91,5602.54 ; Q1_PostIsolation12_Drive1.3@2025.95,6082.05 2099.47,6008.53 2099.47,5655.81 2068.76,5625.1 2068.76,5617.58 2059.01,5607.84 2059.01,5606.46 D5_PostIsolation12_Drive1.1@2062.93,5602.54 ; Q1_PostIsolation11_Drive4.3@2240.96,6082.05 2314.48,6008.53 2314.48,5655.81 2283.78,5625.11 2283.78,5617.59 2274.03,5607.84 2274.03,5606.46 D5_PostIsolation11_Drive4.1@2277.94,5602.54 ; Q1_PostIsolation11_Drive3.3@2455.98,6082.05 2529.5,6008.53 2529.5,5655.81 2498.79,5625.11 2498.79,5617.59 2489.04,5607.84 2489.04,5606.46 D5_PostIsolation11_Drive3.1@2492.96,5602.54 ; Q1_PostIsolation11_Drive2.3@2670.99,6082.05 2744.51,6008.53 2744.51,5655.81 2713.81,5625.11 2713.81,5617.59 2704.06,5607.84 2704.06,5606.46 D5_PostIsolation11_Drive2.1@2707.97,5602.54 ; Q1_PostIsolation11_Drive1.3@2886.01,6082.05 2959.53,6008.53 2959.53,5655.81 2928.82,5625.11 2928.82,5617.59 2919.07,5607.84 2919.07,5606.46 D5_PostIsolation11_Drive1.1@2922.99,5602.54 ; Q1_PostIsolation10_Drive4.3@3101.02,6082.05 3174.54,6008.53 3174.54,5655.81 3143.84,5625.1 3143.84,5617.58 3134.09,5607.84 3134.09,5606.46 D5_PostIsolation10_Drive4.1@3138,5602.54 ; Q1_PostIsolation10_Drive3.3@3316.04,6082.05 3389.56,6008.53 3389.56,5655.81 3358.85,5625.1 3358.85,5617.58 3349.1,5607.84 3349.1,5606.46 D5_PostIsolation10_Drive3.1@3353.02,5602.54 ; Q1_PostIsolation10_Drive2.3@3531.05,6082.05 3604.58,6008.53 3604.58,5655.81 3573.87,5625.1 3573.87,5617.58 3564.12,5607.84 3564.12,5606.46 D5_PostIsolation10_Drive2.1@3568.04,5602.54 ; Q1_PostIsolation10_Drive1.3@3746.07,6082.05 3819.59,6008.53 3819.59,5655.81 3788.88,5625.1 3788.88,5617.58 3779.13,5607.84 3779.13,5606.46 D5_PostIsolation10_Drive1.1@3783.05,5602.54 ; Q1_PostIsolation9_Drive4.3@3961.08,6082.05 4034.61,6008.53 4034.61,5655.81 4003.9,5625.1 4003.9,5617.58 3994.15,5607.84 3994.15,5606.46 D5_PostIsolation9_Drive4.1@3998.07,5602.54 ; Q1_PostIsolation9_Drive3.3@4176.1,6082.05 4249.62,6008.53 4249.62,5655.81 4218.91,5625.1 4218.91,5617.58 4209.16,5607.84 4209.16,5606.46 D5_PostIsolation9_Drive3.1@4213.08,5602.54 ; Q1_PostIsolation9_Drive2.3@4391.11,6082.05 4464.64,6008.53 4464.64,5655.81 4433.93,5625.1 4433.93,5617.58 4424.18,5607.84 4424.18,5606.46 D5_PostIsolation9_Drive2.1@4428.1,5602.54 ; Q1_PostIsolation9_Drive1.3@4606.13,6082.05 4679.65,6008.53 4679.65,5655.81 4648.94,5625.1 4648.94,5617.58 4639.19,5607.84 4639.19,5606.46 D5_PostIsolation9_Drive1.1@4643.11,5602.54 ; Q1_PostIsolation8_Drive4.3@4821.14,6082.05 4894.67,6008.53 4894.67,5655.81 4863.96,5625.1 4863.96,5617.59 4854.21,5607.84 4854.21,5606.46 D5_PostIsolation8_Drive4.1@4858.13,5602.54 ; Q1_PostIsolation8_Drive3.3@5036.16,6082.05 5109.68,6008.53 5109.68,5655.81 5078.97,5625.1 5078.97,5617.59 5069.22,5607.84 5069.22,5606.46 D5_PostIsolation8_Drive3.1@5073.14,5602.54 ; Q1_PostIsolation8_Drive2.3@5251.17,6082.05 5324.7,6008.53 5324.7,5655.81 5293.99,5625.1 5293.99,5617.59 5284.24,5607.84 5284.24,5606.46 D5_PostIsolation8_Drive2.1@5288.16,5602.54 ; Q1_PostIsolation8_Drive1.3@5466.19,6082.05 5539.71,6008.53 5539.71,5655.81 5509,5625.1 5509,5617.59 5499.25,5607.84 5499.25,5606.46 D5_PostIsolation8_Drive1.1@5503.17,5602.54 ; Q1_PostIsolation7_Drive4.3@5681.2,6082.05 5754.73,6008.53 5754.73,5655.81 5724.02,5625.1 5724.02,5617.59 5714.27,5607.84 5714.27,5606.46 D5_PostIsolation7_Drive4.1@5718.19,5602.54 ; Q1_PostIsolation7_Drive3.3@5896.22,6082.05 5969.74,6008.53 5969.74,5655.81 5939.03,5625.1 5939.03,5617.59 5929.28,5607.84 5929.28,5606.46 D5_PostIsolation7_Drive3.1@5933.2,5602.54 ; Q1_PostIsolation7_Drive2.3@6111.23,6082.05 6184.76,6008.53 6184.76,5655.81 6154.05,5625.1 6154.05,5617.59 6144.3,5607.84 6144.3,5606.46 D5_PostIsolation7_Drive2.1@6148.22,5602.54 ; Q1_PostIsolation7_Drive1.3@6326.25,6082.05 6399.77,6008.53 6399.77,5655.81 6369.06,5625.1 6369.06,5617.59 6359.32,5607.84 6359.32,5606.46 D5_PostIsolation7_Drive1.1@6363.23,5602.54 ; Q1_PostIsolation6_Drive4.3@6541.26,6082.05 6614.79,6008.53 6614.79,5655.81 6584.08,5625.1 6584.08,5617.59 6574.33,5607.84 6574.33,5606.46 D5_PostIsolation6_Drive4.1@6578.25,5602.54 ; Q1_PostIsolation6_Drive3.3@6756.28,6082.05 6829.8,6008.53 6829.8,5655.81 6799.09,5625.1 6799.09,5617.59 6789.35,5607.84 6789.35,5606.46 D5_PostIsolation6_Drive3.1@6793.26,5602.54 ; Q1_PostIsolation6_Drive2.3@6971.3,6082.05 7044.82,6008.53 7044.82,5655.81 7014.11,5625.1 7014.11,5617.59 7004.36,5607.84 7004.36,5606.46 D5_PostIsolation6_Drive2.1@7008.28,5602.54 ; Q1_PostIsolation6_Drive1.3@7186.31,6082.05 7259.83,6008.53 7259.83,5655.81 7229.12,5625.1 7229.12,5617.59 7219.38,5607.84 7219.38,5606.46 D5_PostIsolation6_Drive1.1@7223.29,5602.54 ; Q1_PostIsolation5_Drive4.3@7401.33,6082.05 7474.85,6008.53 7474.85,5655.81 7444.14,5625.1 7444.14,5617.59 7434.39,5607.84 7434.39,5606.46 D5_PostIsolation5_Drive4.1@7438.31,5602.54 ; Q1_PostIsolation5_Drive3.3@7616.34,6082.05 7689.86,6008.53 7689.86,5655.81 7659.16,5625.1 7659.16,5617.59 7649.41,5607.84 7649.41,5606.46 D5_PostIsolation5_Drive3.1@7653.32,5602.54 ; Q1_PostIsolation5_Drive2.3@7831.36,6082.05 7904.88,6008.53 7904.88,5655.81 7874.17,5625.1 7874.17,5617.59 7864.42,5607.84 7864.42,5606.46 D5_PostIsolation5_Drive2.1@7868.34,5602.54 ; Q1_PostIsolation5_Drive1.3@8046.37,6082.05 8119.89,6008.53 8119.89,5655.81 8089.19,5625.1 8089.19,5617.59 8079.44,5607.84 8079.44,5606.46 D5_PostIsolation5_Drive1.1@8083.35,5602.54 ; Q1_PostIsolation4_Drive4.3@8261.39,6082.5 8334.91,6008.97 8334.91,5656.26 8304.2,5625.55 8304.2,5618.03 8294.45,5608.28 8294.45,5606.9 D5_PostIsolation4_Drive4.1@8298.37,5602.99 ; Q1_PostIsolation4_Drive3.3@8476.4,6082.05 8549.92,6008.53 8549.92,5655.81 8519.22,5625.1 8519.22,5617.59 8509.47,5607.84 8509.47,5606.46 D5_PostIsolation4_Drive3.1@8513.38,5602.54 ; Q1_PostIsolation4_Drive2.3@8691.42,6082.05 8764.94,6008.53 8764.94,5655.81 8734.23,5625.1 8734.23,5617.59 8724.48,5607.84 8724.48,5606.46 D5_PostIsolation4_Drive2.1@8728.4,5602.54 ; Q1_PostIsolation4_Drive1.3@8906.43,6081.92 8979.96,6008.39 8979.96,5655.68 8949.25,5624.97 8949.25,5617.45 8939.5,5607.7 8939.5,5606.33 D5_PostIsolation4_Drive1.1@8943.42,5602.41 ; Q1_PostIsolation3_Drive4.3@9121.45,6082.05 9194.97,6008.53 9194.97,5655.81 9164.26,5625.1 9164.26,5617.59 9154.51,5607.84 9154.51,5606.46 D5_PostIsolation3_Drive4.1@9158.43,5602.54 ; Q1_PostIsolation3_Drive3.3@9336.46,6082.05 9409.99,6008.53 9409.99,5655.81 9379.28,5625.1 9379.28,5617.59 9369.53,5607.84 9369.53,5606.46 D5_PostIsolation3_Drive3.1@9373.45,5602.54 ; Q1_PostIsolation3_Drive2.3@9551.48,6082.05 9625,6008.53 9625,5655.81 9594.29,5625.1 9594.29,5617.59 9584.54,5607.84 9584.54,5606.46 D5_PostIsolation3_Drive2.1@9588.46,5602.54 ; Q1_PostIsolation3_Drive1.3@9766.49,6082.05 9840.02,6008.53 9840.02,5655.81 9809.31,5625.1 9809.31,5617.59 9799.56,5607.84 9799.56,5606.46 D5_PostIsolation3_Drive1.1@9803.48,5602.54 ; Q1_PostIsolation2_Drive4.3@9981.51,6082.05 10055.03,6008.53 10055.03,5655.81 10024.32,5625.1 10024.32,5617.59 10014.57,5607.84 10014.57,5606.46 D5_PostIsolation2_Drive4.1@10018.49,5602.54 ; Q1_PostIsolation2_Drive3.3@10196.52,6082.05 10270.05,6008.53 10270.05,5655.81 10239.34,5625.1 10239.34,5617.59 10229.59,5607.84 10229.59,5606.46 D5_PostIsolation2_Drive3.1@10233.51,5602.54 ; Q1_PostIsolation2_Drive2.3@10411.54,6082.05 10485.06,6008.53 10485.06,5655.81 10454.35,5625.1 10454.35,5617.59 10444.6,5607.84 10444.6,5606.46 D5_PostIsolation2_Drive2.1@10448.52,5602.54 ; Q1_PostIsolation2_Drive1.3@10626.55,6082.05 10700.08,6008.53 10700.08,5655.81 10669.37,5625.1 10669.37,5617.59 10659.62,5607.84 10659.62,5606.46 D5_PostIsolation2_Drive1.1@10663.54,5602.54 ; Q1_PostIsolation1_Drive4.3@10841.68,6082.05 10915.2,6008.53 10915.2,5655.81 10884.49,5625.1 10884.49,5617.59 10874.74,5607.84 10874.74,5606.46 D5_PostIsolation1_Drive4.1@10878.66,5602.54 ; Q1_PostIsolation1_Drive3.3@11056.45,6082.05 11129.98,6008.53 11129.98,5655.81 11099.27,5625.1 11099.27,5617.59 11089.52,5607.84 11089.52,5606.46 D5_PostIsolation1_Drive3.1@11093.44,5602.54 ; Q1_PostIsolation1_Drive2.3@11271.6,6082.05 11345.12,6008.53 11345.12,5655.81 11314.42,5625.1 11314.42,5617.59 11304.67,5607.84 11304.67,5606.46 D5_PostIsolation1_Drive2.1@11308.58,5602.54 ; Q1_PostIsolation1_Drive1.3@11486.61,6082.18 11560.13,6008.66 11560.13,5655.94 11529.42,5625.23 11529.42,5617.71 11519.68,5607.97 11519.68,5606.59 D5_PostIsolation1_Drive1.1@11523.59,5602.67 ; D9.2@11914.96,4957.72 11946.79,4957.72 v1(11947.55,4956.96)
  Bottom Layer w15: J3.2@11894.56,6688.44 12042.64,6540.37 12042.64,5052.05 v1(11947.55,4956.96)